# Altium PCB RADG-B00-V00.PcbDoc (part 2 of 2)
Units mil, origin at the board's own origin, x right, y up, seen from the top; angles counter-clockwise.
Board outline 2755.91 x 2952.76 mil, 4 copper layers (Top Layer, Layer 1, Layer 2, Bottom Layer), stack 61.418 mil thick; 103 components, 102 nets, 408 pads, 478 vias.
Unrouted connection lines stored in the file: 1.
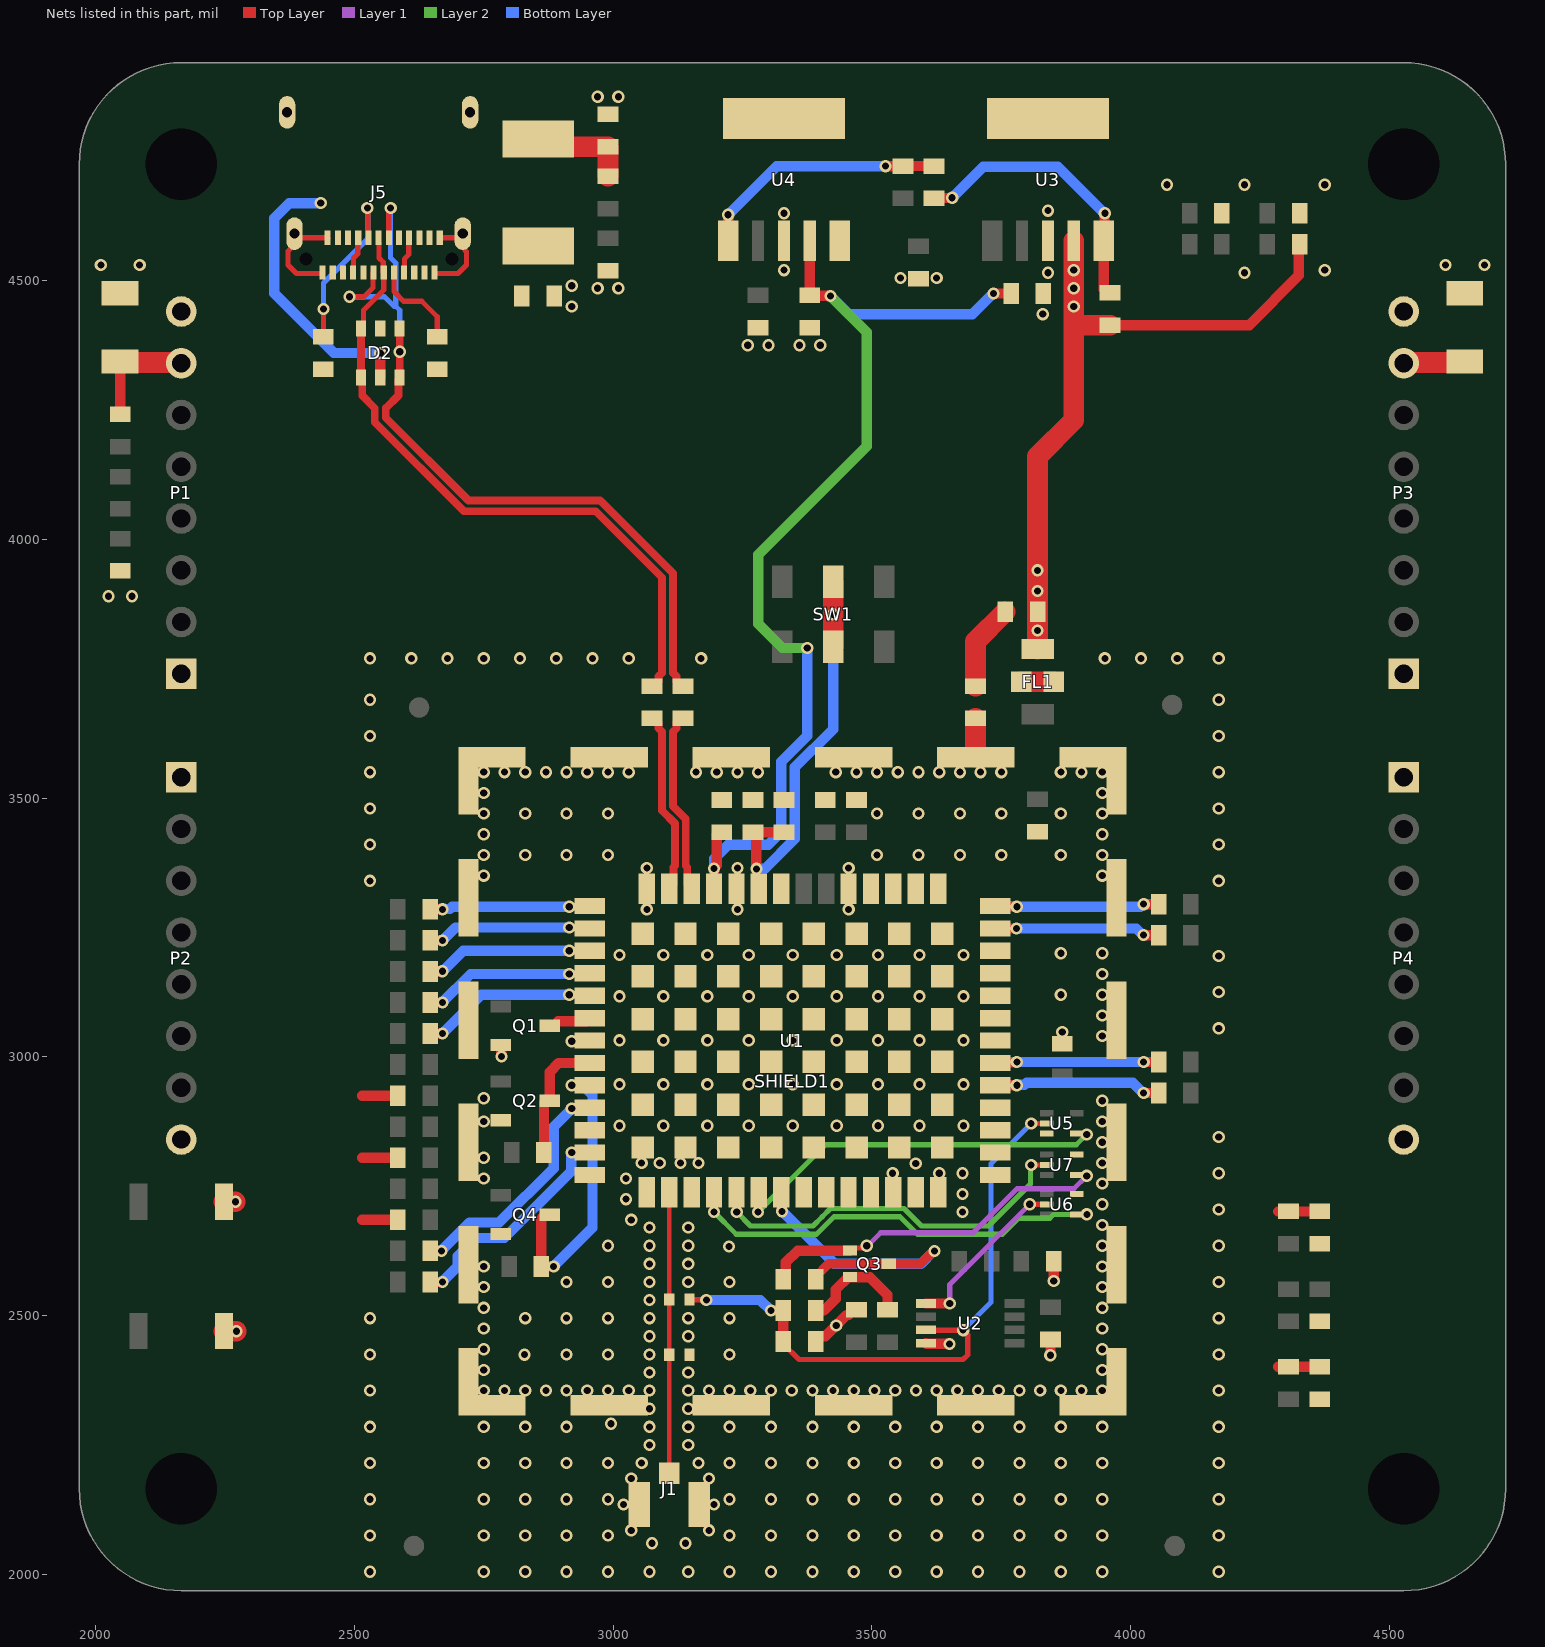
[diagram p4: the nets of this part, all layers, seen from the top]

## Via types
v1: diameter 23.62, hole 13.78, Top Layer to Bottom Layer, tented both sides, 478 vias

## Nets (pads, with @x,y where several pads share a name; then routed paths per layer and width w, separated by ;. In a path a pad name is that pad's centre, name@x,y a point inside that pad or via, vN(x,y) a via of type N, cw(c..) or ccw(c..) an arc to the next point about the centre after c; other vN are vias at no path point) (continued)
GND: C1.1 C2.1 C3.1 C4.1 C5.1 C6.2 C11.1 C15.1 C16.2 D1.1 J1.2 Q1.S Q2.S Q4.S R21.1 R28.2 R36.2 SHIELD1.1 U1.1 U1.3 U1.12 U1.14 U1.32 U1.37 U1.41 U1.48 U1.55 U2.4 U5.3 U6.5 U7.5 | length 345.1
  Top Layer w20: Q4.S@2780.69,2659.41 2782.5,2657.6 Q4.S@2782.76,2657.6 ; Q1.S@2782.76,3022.6 2783.44,3021.92 2783.44,3001.55 v1(2784.12,3000.87) ; C5.1@3391.24,2450 3391.24,2455 3396.24,2460 3410,2460 v1(3430.97,2480.97) 3451.24,2501.24 3455,2501.24 3465,2511.24 R21.1@3470,2511.24 ; U2.4@3604.53,2446.61 3605.45,2445.69 3649.31,2445.69 v1(3650,2445) ; v1(3844.7,2423.44) 3845,2423.74 C6.2@3845,2453.76 ; v1@3851.24,2566.97 R36.2@3851.24,2605 ; C16.2@3867.66,3025.14 3867.7,3025.17 v1(3867.74,3047.74) v1(3867.74,3047.74)
  Top Layer w40: R28.2@3700,3653.76 3700,3579.06 3700.31,3578.74 SHIELD1.1@3700.79,3578.74
  other v1: 2750,2005 2830,2005 2910,2005 2990,2005 3070,2005 3145,2005 3225,2005 3305,2005 3385,2005 3465,2005 3545,2005 3625,2005 3705,2005 3785,2005 3865,2005 3945,2005 3075,2060 3140,2060 2750,2075 2830,2075 2910,2075 2990,2075 3225,2075 3305,2075 3385,2075 3465,2075 3545,2075 3625,2075 3705,2075 3785,2075 3865,2075 3945,2075 3035,2085 3185,2085 3020,2135 3195,2135 2750,2145 2830,2145 2910,2145 2990,2145 3225,2145 3305,2145 3385,2145 3465,2145 3545,2145 3625,2145 3705,2145 3785,2145 3865,2145 3945,2145 3035,2185 3185,2185 2750,2215 2830,2215 2910,2215 2990,2215 3055,2215 3165,2215 3225,2215 3305,2215 3385,2215 3465,2215 3545,2215 3625,2215 3705,2215 3785,2215 3865,2215 3945,2215 3070,2250 3145,2250 2750,2285 2830,2285 2910,2285 3070,2285 3145,2285 3225,2285 3305,2285 3385,2285 3465,2285 3545,2285 3625,2285 3705,2285 3785,2285 3865,2285 3945,2285 2995.97,2290.97 3070,2320 3145,2320 2750,2355 2790,2355 2830,2355 2870,2355 2910,2355 2950,2355 2990,2355 3030,2355 3070,2355 3145,2355 3185,2355 3225,2355 3265,2355 3305,2355 3345,2355 3385,2355 3425,2355 3465,2355 3505,2355 3545,2355 3585,2355 3625,2355 3665,2355 3705,2355 3745,2355 3785,2355 3825,2355 3865,2355 3905,2355 3945,2355 3070,2390 3145,2390 2750,2395 3945,2395 2828.8,2424.54 2910,2425 2990,2425 3070,2425 3225,2425 2750,2435 3945,2435 3070,2460 3145,2460 2750,2475 3945,2475 2830,2495 2910,2495 2990,2495 3070,2495 3145,2495 3225,2495 2750,2515 3945,2515 3070,2530 2750,2555 3945,2555 2910,2565 2990,2565 3070,2565 3145,2565 3225,2565 3851.27,2566.94 2750,2595 3945,2595 3070,2600 3145,2600 3223.91,2633.55 2990,2635 3070,2635 3145,2635 3945,2635 3070,2670 3145,2670 3945,2675 3035,2685 3675,2700 3945,2715 3025,2725 3675,2735 3945.07,2754.96 2750,2765 3025,2765 3540,2775 3630,2775 3675,2775 3584.72,2793.94 3055,2795 3090,2795 3130,2795 3165,2795 3945,2795 2750,2805 3945.07,2834.96 3011.96,2866.86 3096.96,2866.86 3181.96,2866.86 3261.96,2866.86 3346.96,2866.86 3431.96,2866.86 3511.96,2866.86 3591.96,2866.86 3676.96,2866.86 2750,2875 3945,2875 3945,2915 2749.92,2919.92 3011.96,2946.86 3096.96,2946.86 3181.96,2946.86 3261.96,2946.86 3346.96,2946.86 3431.96,2946.86 3511.96,2946.86 3591.96,2946.86 3676.96,2946.86 2920,3030 3011.96,3031.86 3096.96,3031.86 3181.96,3031.86 3261.96,3031.86 3346.96,3031.86 3431.96,3031.86 3511.96,3031.86 3591.96,3031.86 3676.96,3031.86 3945,3040 3945,3080 3011.96,3116.86 3096.96,3116.86 3181.96,3116.86 3261.96,3116.86 3346.96,3116.86 3431.96,3116.86 3511.96,3116.86 3591.96,3116.86 3676.96,3116.86 3865,3120 3945,3120 3945,3160 3011.96,3196.86 3096.96,3196.86 3181.96,3196.86 3261.96,3196.86 3346.96,3196.86 3431.96,3196.86 3511.96,3196.86 3591.96,3196.86 3676.96,3196.86 3865,3200 3945,3200 3065,3285 3240,3285 3455,3285 2750,3350 3945,3350 3065,3365 3240,3365 3455,3365 2750,3390 2830,3390 2910,3390 2990,3390 3510,3390 3590,3390 3670,3390 3750,3390 3865,3390 3945,3390 2750,3430 3945,3430 2750,3470 2830,3470 2910,3470 2990,3470 3510,3470 3590,3470 3670,3470 3750,3470 3865,3470 3945,3470 2750,3510 3945,3510 2750,3550 2790,3550 2830,3550 2870,3550 2910,3550 2950,3550 2990,3550 3030,3550 3160,3550 3200,3550 3240,3550 3280,3550 3430,3550 3470,3550 3510,3550 3550,3550 3590,3550 3630,3550 3670,3550 3710,3550 3750,3550 3865,3550 3905,3550 3945,3550
"GPS ANT DETECT": U2.1 U6.2 | length 334.5
  Top Layer w10: v1(3805,2715) U6.2@3837.76,2715
  Top Layer w20: U2.1@3604.53,2523.39 3604.63,2523.29 3650.12,2523.29 v1(3650.22,2523.19)
  Layer 1 w10: v1(3650.22,2523.19) 3650.22,2560.22 v1(3805,2715)
"GPS ANT DETECT P": U1.4 U6.4 | length 839.4
  Top Layer w10: U1.4@3194.88,2738.19 3195,2738.07 v1(3195,2700) ; U6.4@3896.02,2695.32 3896.17,2695.47 3915.04,2695.47 v1(3915.19,2695.62)
  Layer 2 w10: v1(3195,2700) 3237.81,2657.19 3392.63,2657.19 3426.44,2691 3554,2691 3587.81,2657.19 3752.19,2657.19 3783.19,2688.19 3843.63,2688.19 3851.06,2695.62 v1(3915.19,2695.62)
"GPS ANT OFF": Q3.G R24.1 U7.4 | length 705.1
  Top Layer w10: Q3.G@3457.6,2625.59 3462.44,2630.43 3481.75,2630.43 3486.31,2635 v1(3490,2635) ; U7.4@3896.02,2771.54 3896.79,2770.77 3914.23,2770.77 v1(3915,2770)
  Top Layer w20: R24.1@3328.76,2570 3333.76,2575 3333.76,2603.02 3356.34,2625.59 Q3.G@3457.6,2625.59
  Layer 1 w10: v1(3490,2635) 3492.06,2635 3517.06,2660 3695,2660 3780,2745 3890,2745 v1(3915,2770)
"GPS ANT OFF P": U1.5 U7.2 | length 746.4
  Top Layer w10: U1.5@3238.19,2738.19 3238.19,2700.49 v1(3238.71,2699.97) ; v1(3807.66,2791.22) U7.2@3837.76,2791.22
  Layer 2 w10: v1(3238.71,2699.97) 3265.49,2673.19 3386,2673.19 3403.81,2691 3419.81,2707 3562.1,2707 3595.91,2673.19 3725.27,2673.19 3806.49,2754.41 3806.49,2790.05 v1(3807.66,2791.22)
"GPS DSEL": Q1.D U1.47 | length 83.6
  Top Layer w20: Q1.D@2877.24,3060 2885.12,3060 2894.17,3069.05 2948.98,3069.05 U1.47@2954.72,3074.8
"GPS EXTINT": R9.2 U1.51 | length 469.9
  Top Layer w10: v1(2920,2900) 2953.15,2900 U1.51@2954.72,2901.57
  Top Layer w20: R9.2@2646.24,2625 v1(2668.19,2625)
  Bottom Layer w20: v1(2668.19,2625) 2723.19,2680 2780,2680 2885,2785 2885,2865 v1(2920,2900)
"GPS GEOFENCE": R13.2 U1.19 | length 326
  Top Layer w20: U1.19@3738.19,2944.88 U1.19@3738.19,2944.88 3779.94,2944.94 v1(3780,2945) ; v1(4025,2930) R13.2@4053.76,2930
  Bottom Layer w20: v1(3780,2945) 3780.69,2945.69 3794.84,2945.69 3799.14,2950 4004.02,2950 4024.02,2930 v1(4025,2930)
"GPS RESERVED0": U1.8
"GPS RESERVED1": U1.9
"GPS RESERVED2": U1.10
"GPS RESERVED3": U1.11
"GPS RESERVED4": U1.13
"GPS RESERVED5": U1.15
"GPS RESERVED6": U1.16
"GPS RESERVED7": U1.17
"GPS RESERVED8": U1.18
"GPS RESERVED9": U1.21
"GPS RESERVED10": U1.22
"GPS RESERVED11": U1.23
"GPS RESERVED12": U1.24
"GPS RESERVED13": U1.25
"GPS RESERVED14": U1.28
"GPS RESERVED15": U1.29
"GPS RESERVED16": U1.30
"GPS RESERVED17": U1.31
"GPS RESERVED18": U1.35
"GPS RESERVED19": U1.52
"GPS RESERVED20": U1.54
"GPS RESET": Q2.D R18.1 U1.49 | length 249.5
  Top Layer w20: R18.1@2866.24,2815 2866.24,2911.87 2869.37,2915 Q2.D@2877.24,2915 2877.24,2970.61 2894.82,2988.19 U1.49@2954.72,2988.19
"GPS RF IN": D1.2 J1.1 L1.2 U1.2 | length 543.2
  Top Layer w9: J1.1@3108.27,2195 3108.27,2424.14 3108.27,2525 U1.2@3108.27,2738.19
"GPS RTK STAT": R14.2 U1.20 | length 316.3
  Top Layer w20: U1.20@3738.19,2988.19 3739.31,2989.31 3779.31,2989.31 v1(3780,2990) ; v1(4025,2990) R14.2@4053.76,2990
  Bottom Layer w20: v1(3780,2990) v1(4025,2990)
"GPS RXD2": R5.2 U1.26 | length 321
  Top Layer w20: U1.26@3738.19,3248.03 3779.06,3248.03 v1(3779.17,3247.93) ; v1(4024.72,3235.16) 4024.88,3235 R5.2@4053.76,3235
  Bottom Layer w20: v1(3779.17,3247.93) 4010.97,3247.93 4023.74,3235.16 v1(4024.72,3235.16)
"GPS RXD / SPI MOSI": R2.2 U1.43 | length 319.7
  Top Layer w10: v1(2915,3250) 2952.76,3250 U1.43@2954.72,3248.03
  Top Layer w20: R2.2@2646.24,3225 v1(2670,3225)
  Bottom Layer w20: v1(2670,3225) 2670.98,3225 2695.98,3250 v1(2915,3250)
"GPS SAFEBOOT": Q4.D R8.1 U1.50 | length 580.1
  Top Layer w10: v1(2920,2945) 2920.12,2944.88 U1.50@2954.72,2944.88
  Top Layer w20: Q4.D@2877.24,2695 2869.37,2695 2861.24,2686.87 R8.1@2861.24,2595 v1(2885,2595)
  Bottom Layer w20: v1(2885,2595) 2960,2670 2960,2926.73 2942.43,2944.31 2920.69,2944.31 v1(2920,2945)
"GPS SCL / SPI CLK": R4.2 U1.45 | length 331.9
  Top Layer w10: v1(2915,3160) 2953.31,3160 U1.45@2954.72,3161.42
  Top Layer w20: R4.2@2646.24,3105 v1(2670,3105)
  Bottom Layer w20: v1(2670,3105) 2725,3160 v1(2915,3160)
"GPS SDA / SPI CS": R3.2 U1.44 | length 325.2
  Top Layer w10: v1(2915,3205) 2954.45,3205 U1.44@2954.72,3204.72
  Top Layer w20: R3.2@2646.24,3165 2669.63,3165 v1(2669.92,3165.29)
  Bottom Layer w20: v1(2669.92,3165.29) 2670.9,3165.29 2710.61,3205 v1(2915,3205)
"GPS SHORT DETECT": C5.2 L1.1 R23.2 U2.3 U5.2 | length 1234.5
  Top Layer w10: L1.1@3147.68,2530.87 3148.12,2530.43 3179.57,2530.43 v1(3180,2530) ; C5.2@3328.76,2450 3328.76,2445 3358.76,2415 3676.21,2415 3685,2423.79 3685,2463.02 v1(3676.21,2471.81) 3604.92,2471.81 U2.3@3604.53,2472.2 ; v1(3807.66,2871.22) U5.2@3837.76,2871.22
  Top Layer w20: v1(3305,2510) R23.2@3328.76,2510 C5.2@3328.76,2450
  Bottom Layer w10: v1(3676.21,2471.81) 3730,2525.6 3730,2793.56 v1(3807.66,2871.22)
  Bottom Layer w20: v1(3180,2530) 3284.02,2530 3304.02,2510 v1(3305,2510)
"GPS SHORT DETECT P": U1.6 U5.4 | length 735.9
  Top Layer w10: v1(3280,2700) 3281.5,2701.5 U1.6@3281.5,2738.19
  Layer 2 w10: v1(3280,2700) 3410,2830 3894.74,2830 3914.74,2850 v1(3915,2850)
"GPS TIMEPULSE": R11.2 U1.53 | length 444.3
  Top Layer w10: v1(2920,2815) U1.53@2954.72,2814.96 U1.53@2954.72,2814.96
  Top Layer w20: R11.2@2646.24,2565 v1(2670,2565)
  Bottom Layer w20: v1(2670,2565) 2700,2595 2700,2615 2735,2650 2789.99,2650 2919.31,2779.32 2919.31,2814.31 v1(2920,2815)
"GPS TX READY": R7.2 U1.46 | length 340.3
  Top Layer w10: v1(2915,3120) 2952.83,3120 U1.46@2954.72,3118.11
  Top Layer w20: R7.2@2646.24,3045 v1(2670,3045)
  Bottom Layer w20: v1(2670,3045) 2745,3120 v1(2915,3120)
"GPS TXD2": R6.2 U1.27 | length 318.2
  Top Layer w20: U1.27@3738.19,3291.34 3738.86,3290.67 3779.33,3290.67 v1(3780,3290) ; v1(4025,3295) R6.2@4053.76,3295
  Bottom Layer w20: v1(3780,3290) 4019.02,3290 4024.02,3295 v1(4025,3295)
"GPS TXD / SPI MISO": R1.2 U1.42 | length 311.1
  Top Layer w10: v1(2915,3290) 2953.39,3290 U1.42@2954.72,3291.34
  Top Layer w20: R1.2@2646.24,3285 v1(2670,3285)
  Bottom Layer w20: v1(2670,3285) 2670.69,3285.69 2684.84,3285.69 2689.14,3290 v1(2915,3290)
"GPS VCC RF": Q3.D R24.2 U1.7 | length 639.6
  Top Layer w10: R24.2@3391.24,2570 R24.2@3391.24,2575 ; v1@3618.82,2625 v1(3620.88,2625)
  Top Layer w18: R24.2@3391.24,2575 3416.24,2600 3593.82,2600 v1@3618.82,2625
  Top Layer w20: U1.7@3324.8,2738.19 3325.77,2737.23 3325.77,2702.15 v1(3326.46,2701.46)
  Bottom Layer w20: v1(3326.46,2701.46) 3427.92,2600 3594.9,2600 3619.9,2625 v1(3620.88,2625)
"GPS VCC SUPPLY": Q3.S R22.1 R23.1 | length 218.9
  Top Layer w20: R23.1@3391.24,2510 3407.43,2510 3430,2532.57 3430,2550.43 3453.98,2574.41 Q3.S@3457.6,2574.41 3457.76,2574.25 3495.75,2574.25 3530,2540 R22.1@3530,2511.24
N3V3: C10.2 C17.2 C18.2 FL1.1 P1.7 P3.7 R26.2 R27.2 R40.1 SW1.2@2248.03,2470 SW2.2 U3.4 | length 1741.8
  Top Layer w20: R40.1@2047.24,4241.24 C18.2@2047.24,4343.37 ; R27.2@3960,4413.76 4228.76,4413.76 4325,4510 4325,4568.76 R26.2@4326.24,4570
  Top Layer w40: C18.2@2047.24,4343.37 2048.85,4341.76 2163.75,4341.76 P1.7@2165.35,4340.16 ; SW1.2@2248.03,2470 2271.62,2470 v1(2271.89,2469.73) ; SW2.2@2248.03,2720 v1(2270,2720) ; FL1.1@3820,3787.99 C10.2@3820,3860 3820,4160 3890,4230 3890,4410 ; U3.4@3890,4576.89 3890,4410 ; R27.2@3960,4413.76 3893.76,4413.76 3890,4410 ; P3.7@4527.56,4340.16 4529.16,4341.76 4644.06,4341.76 C17.2@4645.67,4343.37
  other v1: 3820,3824 3820,3900 3820,3940 3890,4450 3890,4485 3890,4520
NGND: C7.1 C8.1 C9.1 C10.1 C12.1 C13.1 C14.1 C17.1 C18.1 D2.2 DS1.2 DS2.2 DS3.2 DS4.2 DS5.2 FL1.2 J5.A1 J5.A12 J5.B1 J5.B12 J5.S1 J5.S2 J5.S3 J5.S4 P1.1 P1.8 P2.1 P2.8 P3.1 P3.8 P4.1 P4.8 R12.1 R20.1 R28.1 R33.1 R34.1 R37.1 R39.1 R42.2 U3.3 U4.3 | length 826.1
  Top Layer w10: J5.A12@2438.5,4515.55 2438.5,4514.63 2437.6,4513.72 2387.94,4513.72 2371.65,4530.01 2371.65,4556.66 2384.17,4569.18 J5.S2@2384.17,4590.75 2392.44,4582.48 J5.B1@2448.35,4582.48 ; J5.A1@2655.04,4515.55 2655.04,4514.65 2655.94,4513.74 2700.02,4513.74 2716.3,4530.02 2716.3,4555.47 2713.48,4558.28 2713.48,4586.64 J5.S1@2709.37,4590.75 2701.1,4582.48 J5.B12@2664.88,4582.48
  Top Layer w20: 2515,2685 R39.1@2583.76,2685 ; 2515,2805 R20.1@2583.76,2805 ; 2515,2925 R12.1@2583.76,2925
  Top Layer w40: R28.1@3700,3716.24 3700,3802.47 C10.1@3757.53,3860 ; FL1.2@3788.5,3725 FL1.2@3851.5,3725
  other v1: 2530,2005 4170,2005 2530,2075 4170,2075 2530,2145 4170,2145 2530,2215 4170,2215 2530,2285 4170,2285 2530,2355 4170,2355 2530,2425 4170,2425 2530,2495 4170,2495 4170,2565 4170,2635 4170,2705 4170,2775 4170,2845 4170,3055 4170,3125 4170,3195 2530,3340 4170,3340 2530,3410 4170,3410 2530,3480 4170,3480 2530,3550 4170,3550 2530,3620 4170,3620 2530,3690 4170,3690 2530,3770 2610,3770 2680,3770 2750,3770 2820,3770 2890,3770 2960,3770 3030,3770 3170,3770 3950,3770 4020,3770 4090,3770 4170,3770 2025,3890 2070,3890 3260,4375 3300,4375 3360,4375 3400,4375 3830,4435 2920,4450 2970,4485 3010,4485 2920,4490 3555,4505 3625,4505 3840,4515 4220,4515 3330,4520 4375,4520 2010,4530 2085,4530 4608.43,4530 4683.43,4530 3330,4630 3840,4635 4070,4685 4220,4685 4375,4685 2970,4855 3010,4855
"PWR EP": U3.EP
"PWR EP USB": U4.EP
"PWR GOOD": R27.1 R30.1 U3.5 | length 555.2
  Top Layer w20: R30.1@3620,4658.76 3620.62,4659.38 3654.38,4659.38 v1(3655,4660) ; v1(3950,4630) 3949.31,4629.31 3949.31,4578.32 U3.5@3947.87,4576.89 3947.87,4483.36 3955,4476.24 R27.1@3960,4476.24
  Bottom Layer w20: v1(3655,4660) 3715,4720 3859.02,4720 3949.02,4630 v1(3950,4630)
"PWR GOOD B": R29.2 R30.2 U4.1 | length 487.1
  Top Layer w20: U4.1@3222.15,4576.91 v1(3222.18,4627.18) ; v1(3525.93,4720.93) 3526.08,4721.08 3559.85,4721.08 R29.2@3560,4721.24 R30.2@3620,4721.24
  Bottom Layer w20: v1(3222.18,4627.18) 3315.93,4720.93 v1(3525.93,4720.93)
"PWR GOOD USB": U4.5
"RTC SW": C3.2 C4.2 SW1.2@3425,3917.99 SW1.5 U1.36 | length 813.9
  Top Layer w20: v1@3276.46,3363.88 3276.46,3432.3 3275,3433.76 C3.2@3330,3433.76
  Top Layer w40: SW1.5@3425,3792.01 v1(3425,3855) SW1.2@3425,3917.99
  Bottom Layer w20: v1(3277.16,3363.19) 3277.85,3363.88 3293.88,3363.88 3351,3421 3351,3559.23 3425,3633.23 v1(3425,3855)
"RTK LED": DS3.1 R17.1 | length 60
  Top Layer w20: R17.1@4285,2401.24 DS3.1@4345,2401.24
"TIMEPULSE LED": DS1.1 R15.1 | length 60
  Top Layer w20: R15.1@4285,2701.24 DS1.1@4345,2701.24
USB3V3: C13.2 C15.2 R37.2 U1.38 U4.4 | length 2054.2
  Top Layer w20: U1.38@3194.88,3324.8 v1(3194.88,3363.8) 3194.88,3364.78 3200,3369.9 3200,3428.76 3205,3433.76 C15.2@3210,3433.76 ; U4.4@3380,4576.89 R37.2@3380,4471.24 3380.62,4470.62 3419.38,4470.62 v1(3420,4470) ; v1(3735,4475) C13.2@3768.76,4475
  Layer 2 w20: v1(3375,3790) 3326.41,3790 3280,3836.41 3280,3970 3490,4180 3490,4400 v1(3420,4470)
  Bottom Layer w20: v1(3194.88,3363.8) 3195.58,3364.5 3195.58,3383.12 3222.46,3410 3300,3410 3325,3435 3325,3570 3375,3620 v1(3375,3790) ; v1(3420,4470) 3455,4435 3694.02,4435 3734.02,4475 v1(3735,4475)
"USB CC1": J5.A5 R33.2 | length 179.5
  Top Layer w10: J5.A5@2576.3,4515.55 2576.3,4478.7 2595,4460 2630,4460 2660,4430 R33.2@2660,4391.24
"USB CC2": J5.B5 R34.2 | length 343.6
  Top Layer w10: R34.2@2440,4391.24 v1(2440,4445) ; v1(2525,4640) 2526.18,4638.82 2526.18,4583.39 J5.B5@2527.09,4582.48
  Bottom Layer w10: v1(2440,4445) 2440,4495 2526.46,4581.46 2526.46,4638.54 v1(2525,4640)
"USB D_N": D2.1 D2.6 J5.A7 J5.B7 R32.1 | length 1660.9
  Top Layer w10: v1(2490.24,4468.73) 2518.73,4468.73 2536.02,4486.02 2536.02,4514.65 J5.A7@2536.93,4515.55 ; J5.B7@2566.46,4582.48 2566.46,4632.77 2570,4636.31 v1(2570,4640) ; D2.1@2587.4,4407.24 2587.48,4407.16 2587.48,4362.68 2587.4,4362.6 v1(2587.56,4362.44)
  Top Layer w15: D2.1@2587.4,4407.24 2587.4,4362.6 D2.6@2587.4,4312.76 2585.06,4310.41 2585.06,4277.9 2560.65,4253.49 2560.65,4234.85 2720.5,4075 2974.7,4075 3115.5,3934.2 3115.5,3741.85 3122.5,3734.85 3122.5,3723.74 3130,3716.24 R32.1@3135,3716.24
  Bottom Layer w10: v1(2490.24,4468.73) 2558.15,4468.73 2576.73,4450.15 2580,4450.15 ; v1(2570,4640) 2570,4543.89 2580,4533.89 2580,4450.15 ; v1(2587.56,4362.44) 2587.56,4442.59 2580,4450.15
"USB D_P": D2.3 D2.4 J5.A6 J5.B6 R31.1 | length 1292
  Top Layer w10: D2.3@2512.6,4407.24 2517.44,4412.09 2517.44,4442.44 2556.61,4481.61 J5.A6@2556.61,4515.55 2555.71,4516.46 2555.71,4535.39 2547.4,4543.7 2547.4,4573.7 2546.77,4574.33 J5.B6@2546.77,4582.48
  Top Layer w15: D2.3@2512.6,4407.24 D2.4@2512.6,4312.76 2514.94,4310.41 2514.94,4277.9 2539.5,4253.34 2539.5,4226.3 2711.8,4054 2966,4054 3094.5,3925.5 3094.5,3741.85 3087.5,3734.85 3087.5,3723.74 3084.31,3720.55 R31.1@3070.69,3720.55
"USB DP_N": R32.2 U1.39 | length 354.9
  Top Layer w15: R32.2@3135,3653.76 3130,3653.76 3122.5,3646.26 3122.5,3635.15 3115.5,3628.15 3115.5,3484.5 3140.42,3459.58 3140.42,3369.04 3143.33,3366.13 3143.33,3333.05 U1.39@3151.57,3324.8
"USB DP_P": R31.2 U1.40 | length 354.9
  Top Layer w15: R31.2@3075,3653.76 3080,3653.76 3087.5,3646.26 3087.5,3635.15 3094.5,3628.15 3094.5,3475.8 3119.42,3450.88 3119.42,3369.04 3116.52,3366.13 3116.52,3333.05 U1.40@3108.27,3324.8
"USB RX1_N": J5.B10
"USB RX1_P": J5.B11
"USB RX2_N": J5.A10
"USB RX2_P": J5.A11
"USB SBU1": J5.A8
"USB SBU2": J5.B8
"USB TX1_N": J5.A3
"USB TX1_P": J5.A2
"USB TX2_N": J5.B3
"USB TX2_P": J5.B2
VUSB: C14.2 D2.5 F1.1 J5.A4 J5.A9 J5.B4 J5.B9 | length 689.3
  Top Layer w10: J5.A9@2497.56,4515.55 2498.46,4516.46 2498.46,4543.46 2506.5,4551.5 2506.5,4581.57 J5.B4@2507.4,4582.48 ; J5.A4@2595.98,4515.55 2596.89,4516.46 2596.89,4541.89 2605,4550 2605,4581.65 J5.B9@2605.83,4582.48
  Top Layer w20: D2.5@2550,4312.76 v1(2550,4360)
  Bottom Layer w20: v1(2435,4650) 2434.31,4649.31 2374.31,4649.31 2345,4620 2345,4475 2460,4360 v1(2550,4360)
VUSBF: C7.2 F1.2 FB2.1 | length 198.6
  Top Layer w40: F1.2@2855,4773.35 2869.58,4758.76 C7.2@2990,4758.76 FB2.1@2990,4701.24
pads on no net: FID1.1 FID2.1 FID3.1 FID4.1 J5. M1.1 M2.1 M3.1 M4.1 P1.2 P1.3

## Polygon pours and split planes (outlines as drawn)
5V on Top Layer "NONET_L01_P-001" (solid, pour order 20): 2960,4663.76 2961.24,4665 3035,4665 3100,4730 3362.5,4730 3460,4685 3780,4685 3811.81,4653.19 3811.81,4527.52 3672.48,4527.52 3658.76,4541.24 3552.58,4541.24 3467.56,4626.26 3301.81,4626.26 3301.81,4541.81 3290,4530 3270,4530 3258.19,4541.81 3258.19,4626.26 3191.26,4626.26 3121.24,4556.24 2960,4556.24
VUSB on Top Layer "NONET_L01_P-001" (solid, pour order 22): 2400,4475 2700,4475 2750,4425 2850,4425 2850,4495 2876.22,4521.22 2945,4521.22 2945,4724.41 2400,4724.41
NGND on Top Layer "NONET_L01_P-001" (solid, pour order 24): 4145,2007.87 4145,3745 2555,3745 2555,2007.87 2165.35,2007.87 2007.87,2165.35 2007.87,4724.41 2165.35,4881.89 4527.56,4881.89 4685.04,4724.41 4685.04,2165.35 4527.56,2007.87
GND on Top Layer "NONET_L01_P-001" (solid, pour order 23): 2675,3625 4025,3625 4025,2007.87 2675,2007.87
no net on Top Solder "NONET_L01_P-001" (solid): 4025,1970 4145,1970 4145,3745 2555,3745 2555,1970 2675,1970 2675,3625 4025,3625
no net on Top Solder "NONET_L01_P-001" (solid): 2696.88,3555 3075,3555 3075,3602.49 2696.88,3602.49
no net on Top Solder "NONET_L01_P-001" (solid): 2743.59,2302.95 2743.59,3602.45 2696.67,3602.45 2696.67,2302.95
no net on Top Solder "NONET_L01_P-001" (solid): 4000,2303.12 4000,3602.62 3949.08,3602.62 3949.08,2303.12
no net on Top Solder "NONET_L01_P-001" (solid): 3135,3555 3780,3555 3780,3602.49 3135,3602.49
no net on Top Solder "NONET_L01_P-001" (solid): 2696.95,2302.92 3996.27,2302.92 3996.27,2350 2696.95,2350
no net on Top Solder "NONET_L01_P-001" (solid, pour order 6): 3108.27,2195 3166.54,2195 3166.54,2694.16 3108.27,2694.16
no net on Top Solder "NONET_L01_P-001" (solid, pour order 5): 3108.27,2195 3050,2195 3050,2694.16 3108.27,2694.16
NGND on Bottom Layer "NONET_L01_P-001" (solid, pour order 25): 4145,2007.87 4145,3745 2555,3745 2555,2007.87 2165.35,2007.87 2007.87,2165.35 2007.87,4724.41 2165.35,4881.89 4527.56,4881.89 4685.04,4724.41 4685.04,2165.35 4527.56,2007.87
GND on Bottom Layer "NONET_L01_P-001" (solid, pour order 26): 2675,3625 4025,3625 4025,2007.87 2675,2007.87
N3V3 on Layer 2 "NONET_L01_P-001" (solid, pour order 28): 4145,2007.87 4145,3745 2555,3745 2555,2007.87 2165.35,2007.87 2007.87,2165.35 2007.87,4724.41 2165.35,4881.89 4527.56,4881.89 4685.04,4724.41 4685.04,2165.35 4527.56,2007.87
GND on Layer 2 "NONET_L01_P-001" (solid, pour order 27): 2675,3625 4025,3625 4025,2007.87 2675,2007.87
NGND on Layer 1 "NONET_L01_P-001" (solid, pour order 29): 4145,2007.87 4145,3745 2555,3745 2555,2007.87 2165.35,2007.87 2007.87,2165.35 2007.87,4724.41 2165.35,4881.89 4527.56,4881.89 4685.04,4724.41 4685.04,2165.35 4527.56,2007.87
GND on Layer 1 "NONET_L01_P-001" (solid, pour order 21): 2675,3625 4025,3625 4025,2007.87 2675,2007.87
no net on Bottom Overlay "NONET_L01_P-001" (solid): 3775,3775 2650,3775 2650,3975 3775,3975

## Other copper
Top Layer:
  pour cut-out: 3225,3725 3225,3985 3625,3985 3625,3725
  pour cut-out: 3275,2650 3900,2650 3900,2400 3275,2400

## Silkscreen, mask and mechanical layers (free items; w line width, h text height)
Top Overlay:
  lines w7.87: 2555,2000 2555,2535 ; 2555,3315 2555,3745 3045,3745 ; 2675,2000 2675,3625 4025,3625 4025,2000 ; 3165,3745 3670,3745 ; 3375,2025 3400,2025 3400,2150 ; 3422.36,2130.28 ccw(c3400,2175) 3422.36,2219.72 ; 3425,2025 3425,2050 ; 3425,2037.5 3825,2037.5 ; 3433.54,2107.92 ccw(c3400,2175) 3433.54,2242.08 ; 3730,3745 3755,3745 ; 3816.46,2107.92 cw(c3850,2175) 3816.46,2242.08 ; 3825,2025 3825,2050 ; 3827.64,2130.28 cw(c3850,2175) 3827.64,2219.72 ; 3875,2025 3850,2025 3850,2150 ; 3885,3745 4145,3745 4145,3325 ; 4145,2000 4145,2900 ; 4145,3020 4145,3205 ; 3400,2150 3375,2175 3425,2175 3400,2150 ; 3850,2150 3825,2175 3875,2175 3850,2150
  lines w10: 2725,3900 3205,3900 ; 2725,4130 3205,4130
  text "UCB-C" at 2690,4903.75 h100 r180
  text "USB" at 4205,4675 h100 r90
  text "3V3" at 4355,4675 h100 r90
  text "GND" at 2230.35,4410.61 h100
  text "GND" at 4299.21,4410.61 h100
  text "3V3" at 2230.35,4310.61 h100
  text "3V3" at 4320.32,4310.61 h100
  text "DET" at 2230.35,4210.59 h100
  text "BKP" at 4311.54,4210.59 h100
  text "TX" at 2230.4,4110.59 h100
  text "RX2" at 4317.97,4110.2 h100
  text "ON" at 3283.19,4080.66 h78.74
  text "OFF" at 3468.87,4080.66 h78.74
  text "ESD" at 2725,4029.51 h120
  text "RX" at 2230.4,4010.59 h100
  text "TX2" at 4315.24,4010.2 h100
  text "BACKUP" at 3250,3967.5 h100
  text "SENSITIVE" at 2725.06,3934.51 h120
  text "N/C" at 2230.35,3912.74 h100
  text "GEO" at 4308.13,3910.61 h100
  text "N/C" at 2230.35,3812.74 h100
  text "TXRD" at 4257.44,3810.59 h100
  text "GND" at 2230.35,3710.61 h100
  text "GND" at 4299.21,3710.61 h100
  text "GND" at 2230.35,3510.61 h100
  text "GND" at 4299.21,3510.61 h100
  text "CLK" at 2230.4,3410.61 h100
  text "RTK" at 4311.36,3410.59 h100
  text "42" at 2831,3326 h40
  text "27" at 3796,3326 h40
  text "MOSI" at 2230.35,3310.61 h100
  text "TIME" at 4271.12,3310.59 h100
  text "MISO" at 2230.35,3210.61 h100
  text "BOOT" at 4250.61,3210.61 h100
  text "CS" at 2230.4,3110.61 h100
  text "EXTINT" at 4185.33,3110.59 h100
  text "SDA" at 2230.4,3010.61 h100
  text "DSEL" at 4272,3010.61 h100
  text "SCL" at 2230.4,2910.61 h100
  text "RST" at 4315.89,2910.61 h100
  text "GND" at 2230.35,2810.61 h100
  text "GND" at 4299.21,2810.61 h100
  text "1" at 3006,2641 h40
  text "TIME" at 4410.06,2610 h100
  text "RESET" at 2022.85,2540 h100
  text "GEO" at 4410.2,2460 h100
  text "RTK" at 4411.31,2310 h100
  text "BOOT" at 2022.85,2290 h100
  text "MIN" at 3553.41,2150 h100
  text "U.FL" at 2775.06,2099.98 h120
  text "50cm" at 3524.95,2060.83 h100
Bottom Overlay:
  lines w7.87: 3096.96,2911.86 3121.96,2911.86 3121.96,3036.86 ; 3144.32,3017.13 ccw(c3121.96,3061.86) 3144.32,3106.58 ; 3146.96,2911.86 3146.96,2936.86 ; 3146.96,2924.36 3546.96,2924.36 ; 3155.5,2994.77 ccw(c3121.96,3061.86) 3155.5,3128.94 ; 3538.42,2994.77 cw(c3571.96,3061.86) 3538.42,3128.94 ; 3546.96,2911.86 3546.96,2936.86 ; 3549.6,3017.13 cw(c3571.96,3061.86) 3549.6,3106.58 ; 3596.96,2911.86 3571.96,2911.86 3571.96,3036.86 ; 3121.96,3036.86 3146.96,3061.86 3096.96,3061.86 3121.96,3036.86 ; 3571.96,3036.86 3596.96,3061.86 3546.96,3061.86 3571.96,3036.86
  text "UCB-C" at 2400,4903.75 h100 r180
  text "M3" at 2233.55,4536.55 h80
  text "M3" at 4595.75,4536.55 h80
  text "GND" at 2393.15,4410.61 h100
  text "GND" at 4455.94,4410.61 h100
  text "3V3" at 2372.04,4310.61 h100
  text "3V3" at 4455.94,4310.61 h100
  text "DET" at 2375.78,4210.59 h100
  text "BKP" at 4455.94,4210.59 h100
  text "Antennas must be 50cm apart at least!" at 4668.4,4161.65 h100 r90
  text "QUTMS-RADG-V00" at 4045.16,4154.3 h200
  text "TX" at 2331.34,4110.59 h100
  text "RX2" at 4455.89,4110.2 h100
  text "Designed By: Jonn Dillon" at 4031.3,4022.71 h150
  text "RX" at 2328.61,4010.59 h100
  text "TX2" at 4455.89,4010.2 h100
  text "N/C" at 2368.76,3912.74 h100
  text "GEO" at 4455.94,3910.61 h100
  text "S/N:" at 4029.93,3832.63 h150
  text "N/C" at 2368.76,3812.74 h100
  text "TXRD" at 4455.89,3810.59 h100
  text "GND" at 2393.15,3710.61 h100
  text "GND" at 4455.94,3710.61 h100
  text "GND" at 2393.15,3510.61 h100
  text "GND" at 4455.94,3510.61 h100
  text "CLK" at 2379.8,3410.61 h100
  text "RTK" at 4455.89,3410.59 h100
  text "MOSI" at 2422.95,3310.61 h100
  text "TIME" at 4455.89,3310.59 h100
  text "MISO" at 2425.35,3210.61 h100
  text "BOOT" at 4455.94,3210.61 h100
  text "CS" at 2329.03,3110.61 h100
  text "EXTINT" at 4455.94,3110.59 h100
  text "MIN" at 3418.54,3036.86 h100
  text "SDA" at 2387.89,3010.61 h100
  text "DSEL" at 4455.94,3010.61 h100
  text "50cm" at 3447,2947.69 h100
  text "SCL" at 2376.29,2910.61 h100
  text "RST" at 4455.89,2910.61 h100
  text "GND" at 2393.15,2810.61 h100
  text "GND" at 4455.94,2810.61 h100
  text "Antennas must be 50cm apart at least!" at 2024.51,2728.11 h100 r270
  text "M3" at 2233.55,2292.46 h80
  text "M3" at 4595.75,2292.46 h80
Mechanical 1:
  the board outline again, w10

## Text inside footprints (layer, text, board x,y; h text height)
LOGO2: Top Overlay "e" at 2348.15,3758.15 h400
LYID1: Top Layer "1" at 4115,2160 h60 r90; Layer 1 "2" at 4115,2240 h60 r90; Bottom Layer "4" at 4115,2420 h60 r90; Layer 2 "3" at 4115,2330 h60 r90